# KiCad board e003_rocker.kicad_pcb (continued)
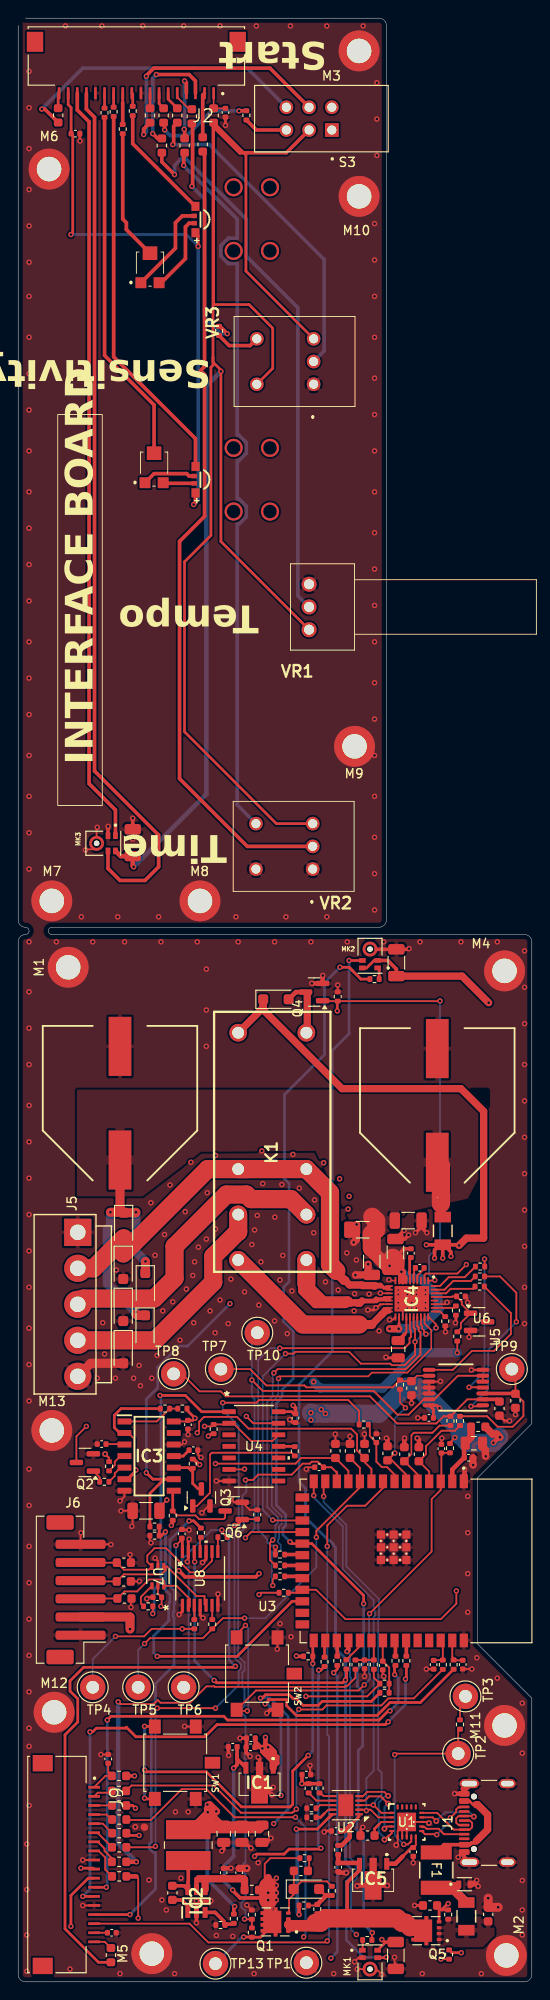
[diagram p0: board, top side]
## Routing (per net, layer and track width the routed paths; a pad name or vN(x,y) marks a point on that pad's centre or on a via; arc(x,y) is an arc through that point) (continued)
VBUS: length 41.3
  Top w0.4: 36.2,7 36.2,10.93 37.55,12.28 IC5.3
  Top w0.5: IC5.3 37.45,13.08 C56.1 R51.1 ; 32.7,6.5 32.7,6.2 32.29,5.79 29.89,5.79 Q1.1 29.71,6.84
  Top w1: 29.76,6.26 29.76,6.3 32.06,6.3 32.26,6.5 42.6,6.5 43.47,5.62 Q5.5_6_7_8
  Top w2: 43.1,6 42.6,6.5 42.2,6.5 41.7,7 33.75,7 33.24,6.5 32.7,6.5
(no net):
  vias: v1(23.7,197.4) v1(23.7,190.4) v1(23.7,168.73) v1(23.7,161.73) v1(27.7,197.4) v1(27.7,190.4) v1(27.7,168.73) v1(27.7,161.73)
/DRV-HIZ_N: length 50.9
  Top w0.175: v2(43.65,70.4) 43.65,68.97 ; 44.8,71.29 44.64,71.45 44.64,71.64 44.44,71.84 44.44,72.14 44.29,72.3 44.29,72.42 44.3,72.44 IC4.26 ; 44.8,71.29 44.84,71.24 v2(44.85,71.24) ; 44.8,71.29 44.84,71.25 44.84,71.24 ; IC4.28 45.15,73.14 45.97,72.32 v2(45.97,71.93)
  Top w0.2: IC4.24 43.5,71.94 43.65,71.79 v2(43.65,70.4) 43.65,68.97 42.51,67.83 41.09,67.83 40.92,68 37.7,68 36.4,69.3 30.5,69.3 30.3,69.1 v2(29.4,69.1) ; v2(28,50.8) 28.05,50.75 U3.17
  Bottom w0.175: v2(43.65,70.4) 44.49,71.24 v2(44.85,71.24) 45.16,71.24 45.75,71.83 45.86,71.83 v2(45.97,71.93)
  Bottom w0.2: v2(28,50.8) 26.9,51.9 26.9,66.6 v2(29.4,69.1)
/DRV_FAULT: length 64.8
  Top w0.2: IC4.2 44.7,77.77 44.84,77.91 48.31,77.91 v2(49.3,78.9) ; R41.1 30.94,42.8 ; 31.26,43.12 32.77,43.12 36,39.9 46.5,39.9 48.2,41.6 v2(48.2,43)
  In2.Cu w0.2: v2(49.3,78.9) 50.65,77.55 50.65,56.6 48.2,54.15 v2(48.2,43)
/ESP_EN: length 57.1
  Top w0.2: U3.3 46.48,54.1 45.48,53.1 45.48,47.33 v2(38.65,40.5) ; 24.03,38.24 v2(25,39.21) ; SW2.1 26.16,32.05 37.45,32.05 v2(38.07,32.67) ; R21.1 46.57,58.19 ; v2(25.2,29.8) 24.15,29.8 ; 46.55,55.12 C25.1
  Bottom w0.2: v2(38.65,40.5) 38.6,40.45 38.6,33.95 38.7,33.85 38.7,33.35 38.6,33.25 38.6,33.2 v2(38.07,32.67) ; v2(25.2,29.8) 25.3,29.9 25.3,38.9 v2(25,39.21)
/ESP_IO0: length 47.1
  Top w0.3: v2(13.9,23.3) 14.1,23.1 20.7,23.1 24.55,19.25 29.93,19.25 30.2,19.52 30.2,23.2 v2(31.9,24.9) ; 32.41,37.45 R20.1 32.41,35.01 v2(32.4,35) ; SW1.1 13.98,20.12 v2(13.9,20.2) ; v2(13.9,28.1) 15.01,28.1
  Bottom w0.3: v2(32.4,35) 32.4,25.4 v2(31.9,24.9) ; v2(13.9,20.2) v2(13.9,23.3) v2(13.9,28.1)
/FAULT_RESET_IN: length 64.4
  Top w0.2: 13,11.6 13.2,11.4 v2(13.2,7)
  Top w0.5: L23.1 13,11.6 ; v2(36.17,36.33) 36.32,36.49 U3.30
  In2.Cu w0.2: v2(37.2,5.2) 37.1,5.3 35.2,5.3 34,6.5 30,6.5 29.2,7.3 25.35,7.3 25.15,7.5 24.65,7.5 24.45,7.3 13.5,7.3 v2(13.2,7)
  Bottom w0.2: v2(37.2,5.2) 36.6,5.8 36.6,10.73 37.23,11.36 37.23,12.91 36.5,13.64 36.5,32.85 36.6,32.95 36.6,33.45 36.5,33.55 36.5,36 v2(36.17,36.33)
/HALL-A: length 65.4
  Top w0.2: v2(18.05,38.83) R46.1 14.68,38.83 13.85,38 v2(10.7,38) ; 19.9,61.6 19.9,60.6 v2(19.7,60.4) ; 19.9,61.6 20,61.7 ; 19.9,61.6 20,61.7 ; U3.9 38.86,56.42 38.1,57.18 C24.1 37.28,58.45 37.28,60.2 36.63,60.85 25.35,60.85 24.06,62.14 20.44,62.14 20,61.7
  In2.Cu w0.2: v2(18.05,38.83) 18.3,39.08 18.3,45.67 18.01,45.96 18.01,46.46 18.3,46.75 18.3,48.34 18.21,48.44 18.21,48.93 18.3,49.02 18.3,49.35 18.2,49.45 18.2,49.95 18.3,50.05 18.3,50.35 18.2,50.45 18.2,50.95 18.3,51.05 18.3,58.5 19.04,59.24 19.04,59.29 19.7,59.95 v2(19.7,60.4)
  Bottom w0.2: v2(10.7,38) 8.2,35.5 TP4.1
/HALL-B: length 41.9
  Top w0.2: C28.1 37.59,56.54 U3.10 37.59,54.39 32.8,49.6 v2(32.8,48.9) ; v2(13.9,37.2) 14.5,37.8 20.32,37.8 R47.2 22.52,40 v2(24.9,40)
  Bottom w0.2: v2(13.9,37.2) 13.2,36.5 TP5.1 ; v2(32.8,48.9) 32.8,45.6 27.2,40 v2(24.9,40)
/HALL-C: length 45.7
  Top w0.2: v2(21.7,57) 30.51,57 31.14,57.62 C29.1 36.32,56.21 U3.11 ; v2(22.4,49.7) 22.4,49.49 R48.1
  In2.Cu w0.2: v2(21.7,57) 21.1,56.4 21.1,54.5 22.4,53.2 v2(22.4,49.7)
  Bottom w0.2: v2(22.4,49.7) 21.25,49.7 18.75,47.2 18.75,46.81 18.36,46.81 18.01,46.46 18.01,45.96 18.36,45.61 18.75,45.61 18.75,32.95
/interface_board/FAULT_RESET_IN: length 28.2
  Top w0.4: L17.1 13.8,203.81 v2(13.8,203.2) ; S3.5 27.7,210.5 14.91,210.5 14.1,209.69 v2(14.1,209.6)
  Bottom w0.4: v2(13.8,203.2) 14.1,203.5 v2(14.1,209.6)
/interface_board/FAULT_RESET_OUT: length 33
  Top w0.4: L19.1 2.92,206 v2(2.6,206)
  Bottom w0.4: S3.6 25.2,210.5 7.1,210.5 v2(2.6,206)
/interface_board/MIC_CLK_BUFFERED: length 97.1
  Top w0.4: J2.15 7.5,206 8.4,205.1 8.4,133.19 15.45,126.14 15.45,122.65 13.95,121.15 11.2,121.15 9.88,122.47 MK3.4
/interface_board/MIC_DATA2: length 83.4
  Top w0.4: J2.16 6.5,205.9 7.8,204.6 7.8,131.8 10.7,128.9 MK3.1
/interface_board/ON_BTN: length 81.7
  Top w0.4: v2(18.2,199.8) 18.2,201.09
  Bottom w0.4: v2(18.2,199.8) 24.1,193.9 24.1,191.8 23.12,191.8 22.3,190.98 22.3,189.82 23.12,189 24.1,189 24.1,170.13 24.28,170.13 25.1,169.31 25.1,168.15 24.28,167.33 24.1,167.33 24.1,163.13 24.28,163.13 25.1,162.31 25.1,161.15 24.28,160.33 24.1,160.33 24.1,129.45 VR2.5
/interface_board/ON_LED_GB: length 3.4
  Top w0.3: 11.5,206.7 J2.11
  Top w0.4: R70.2 11.5,206.7
/interface_board/ON_LED_R: length 1.5
  Top w0.3: R68.1 12.6,207.65 J2.10
/interface_board/POT_SENSOR: length 36.2
  Top w0.4: v2(17,202.1) 17.1,202.2 17.1,204.11 L15.1
  Bottom w0.4: VR3.2 33.65,179.38 33.65,189.47 21.02,202.1 v2(17,202.1)
/interface_board/POT_SPEED: length 60.4
  Top w0.4: L11.1 15.8,200.2 v2(17.2,198.8)
  Bottom w0.4: v2(17.2,198.8) 17.2,199.79 17.91,200.5 18.49,200.5 25.1,193.89 25.1,189.82 30.77,184.15 30.77,152.46 VR1.2
/interface_board/POT_TIME: length 88
  Top w0.4: VR2.2 25.2,124.9 17.75,132.35 17.75,158.45 20.5,161.2 20.5,176.8 20.06,177.24 20.5,177.68 20.5,201.12
/interface_board/SENS_LED_GB: length 1.7
  Top w0.3: 9.5,206.01 J2.13
/interface_board/SENS_LED_R: length 1.5
  Top w0.3: R66.1 J2.12
/interface_board/SENSOR_BTN: length 26.2
  Top w0.4: v2(19.1,197.5) 19.19,197.59 19.19,204.33 ; 22.19,182.11 v2(23,181.3)
  Bottom w0.4: v2(19.1,197.5) 20.5,196.1 20.5,183.1 22.3,181.3 v2(23,181.3)
/interface_board/START_BTN: length 11.1
  Top w0.4: R71.2 24.32,205.82 v2(24.3,205.8) ; v2(16.11,203.71) 16.11,204.41
  Bottom w0.4: v2(16.11,203.71) 16.74,203.07 18.55,203.07 21.28,205.8 v2(24.3,205.8)
/ISENS_A: length 16.6
  Top w0.2: 54.7,67 54.7,64.69 55.58,63.81 55.58,62.23 54.4,61.06 52.74,61.06 51.59,62.21 R17.2
  Top w0.4: U6.3 54.66,64.72
/ISENS_B: length 38
  Top w0.2: 18.02,66.88 19.95,64.95 22.29,64.95 22.84,64.4 38.7,64.4 41.68,61.42 46,61.42 46.79,62.21 R15.2 49.41,64.07 U6.2
  Top w0.4: U6.2 52.7,64.07
/ISENS_C: length 24.2
  Top w0.175: U6.9 43.85,66.67 C49.1 42.12,66.08
  Top w0.2: TP7.1 25.5,67.4 27.3,65.6 31.5,65.6 31.7,65.4 41.2,65.4 R14.2
/MIC_CLK: length 152.9
  Top w0.3: v2(21.56,33.16) 21.82,32.9 35.7,32.9 36,33.2 v2(36,33.2) 36.1,33.3 R22.2 36.1,33.1 ; U8.12 19.37,46.24 v2(19.41,46.2) ; v2(40.5,2.7) 40.45,2.65 MK1.4 ; v2(36.4,112.35) MK2.4
  Bottom w0.3: v2(21.56,33.16) 19.41,35.3 v2(19.41,46.2) ; v2(36.4,112.35) 36.4,104.3 34.55,102.45 34.55,69.35 30.9,65.7 30.9,63.21 30.85,63.16 30.85,62.17 30.7,62.02 30.7,61.48 30.9,61.28 30.9,55 31.6,54.3 31.6,51.1 34.15,48.55 34.27,48.55 34.65,48.17 34.65,48.05 34.9,47.8 34.9,36.68 36,35.58 v2(36,33.2) 36,13.06 36.78,12.28 36.78,11.72 36.1,11.04 36.1,4.6 38,2.7 v2(40.5,2.7)
/MIC_CLK_BUFFERED: length 52.8
  Top w0.3: R55.1 19.31,50.7 v2(18.8,50.7) ; J9.15 v2(12.3,7.4)
  Bottom w0.3: v2(18.8,50.7) 16.7,48.6 16.7,43.5 17.2,43 17.2,41.7 17.25,41.65 17.15,41.55 17.15,40.77 17.05,40.67 17.05,40.13 17.15,40.03 17.15,34.85 15.1,32.8 15.1,30.75 15.03,30.75 14.65,30.37 14.65,15.37 14.45,15.17 14.45,14.63 14.83,14.25 15.1,14.25 15.1,10.2 v2(12.3,7.4)
/MIC_DATA1: length 122.4
  Top w0.2: R7.1 38.91,5.36 v2(38.95,5.4)
  Top w0.3: 36.8,111.2 36.4,111.6 v2(35.4,111.6) ; 36.8,111.2 36.5,111.5 ; 36.8,111.2 37.7,110.3 R10.1 ; v2(38,41.6) 38,42.5 32.29,48.21 U3.19 30.09,48.21 v2(29.9,48.4)
  Bottom w0.3: v2(38,41.6) 38,35.08 37.3,34.38 37.3,32.52 37.9,31.92 37.9,25.95 37.45,25.5 ; v2(29.9,48.4) 29.13,49.17 29.13,49.91 29.43,50.21 29.43,51.39 28.4,52.42 28.4,63.63 28.83,64.06 28.83,64.22 29.04,64.43 29.04,65.14 30.25,66.35 30.25,71.57 29.2,72.62 29.2,76.4 29.8,77 29.8,87.82 29.3,88.32 29.3,97.6 33.7,102 33.7,109.9 v2(35.4,111.6) ; v2(38.95,5.4) 38,6.35 38,15.98 37.25,16.73 37.25,18.35 37.4,18.5 37.4,25.45
/MIC_DATA2: length 81.1
  Top w0.2: U3.8 40.13,54.33 38.17,52.37 36.17,52.37 34,50.2 v2(34,47.9) ; J9.16 18.85,6.4 20.91,4.34 33.84,4.34 v2(34,4.5)
  Bottom w0.2: v2(34,4.5) 34.2,4.7 34.2,16.18 34.26,16.24 34.26,16.74 34.2,16.8 34.2,26.99 34,27.2 v2(34,47.9)
/Motor Control/DRV-INHA: length 42.8
  Top w0.2: IC4.23 43.1,71.73 43.2,71.64 43.2,70.96 43.05,70.8 43.05,70.26 42.49,69.7 v2(28.77,69.7)
  Top w0.4: R19.2 28.29,47.79 v2(28.3,47.8)
  Bottom w0.2: v2(28.3,47.8) 28.1,48 27.75,48 27.4,48.35 27.4,48.7 26.4,49.7 26.4,68.4 27.7,69.7 v2(28.77,69.7)
/Motor Control/DRV-INHB: length 43.9
  Top w0.2: v2(28.12,66.98) 28.55,67.4 42.64,67.4 44.25,69.01 44.25,71.48 44.25,71.48 44.2,71.48 44.05,71.64 44.05,71.98 43.9,72.14 IC4.25 ; R18.2 27.7,46.39 27.7,48.3 v2(28,48.6)
  Bottom w0.2: v2(28.12,66.98) 28,66.85 28,64.4 27.4,63.8 27.4,52.25 28.6,51.05 28.6,50.55 28.3,50.25 28.3,48.9 v2(28,48.6)
/Motor Control/DRV-INHC: length 48
  Top w0.175: v2(28.63,66.36) 28.63,66.49 28.75,66.6 38.5,66.6 38.91,67.01 42.8,67.01 45.44,69.65 45.44,71.68 44.7,72.42 IC4.27 ; v2(28,43.6) 28,44.31 R16.2
  Bottom w0.175: v2(28.63,66.36) 28.6,66.33 28.6,64.61 28.39,64.4 28.39,64.24 27.9,63.75 27.9,52.3 28.99,51.21 28.99,50.39 28.69,50.09 28.69,48.74 28.59,48.64 28.59,48.36 28.58,48.35 28.89,48.04 28.89,47.56 28.54,47.21 28.06,47.21 27.9,47.37 27.9,43.7 v2(28,43.6)
/Motor Control/DRV_AVDD: length 3
  Top w0.2: 42.52,71.26 42.7,71.44 IC4.22
  Top w0.4: C45.1 42.52,71.26
/Motor Control/HALL_A: length 14.9
  Top w0.2: 18.89,41.28 18.89,42.09 17.42,43.56 U7.6 16.02,44.08 15.85,44.25 14.38,44.25 13.07,42.94 11.69,42.94 C54.1 6.9,42.17
/Motor Control/HALL_B: length 16.9
  Top w0.2: 20.63,41.42 20.5,41.55 20.5,42.43 19.62,42.43 16.36,45.69 16.21,45.69 16.21,45.29 15.74,44.82 11.62,44.82 C53.1 6.95,44.05
/Motor Control/HALL_C: length 19.8
  Top w0.2: 6.89,46.11 C52.1 11.63,45.33 14.35,45.33 U7.3 ; 14.71,45.69 14.2,46.2 14.2,46.9 15,47.7 16.27,47.7 18.93,45.05 20.06,45.05 21.32,46.31 U8.9
/Motor Control/HALL_EDGE: length 33.7
  Top w0.2: R45.2 14.81,40.51 v2(14.8,40.5)
  Top w0.3: U4.1 20.19,62.71 18.4,64.5 v2(15.6,64.5)
  Bottom w0.3: v2(15.6,64.5) 15.7,64.4 15.7,49.92 15.55,49.77 15.55,49.23 15.7,49.08 15.7,49.02 15.7,49.02 15.7,43.85 15.6,43.85 14.95,43.2 14.95,40.65 v2(14.8,40.5)
/Motor Control/MIC_CLOCK_BUFFERED: length 1.5
  Top w0.2: 20,48.89 20,47.34
/Motor Control/MTR_U: length 26.2
  Top w2: J5.4 15.06,70.57 21.45,76.95 21.45,79.8 24.15,82.5 24.2,82.5 K1.4
/Motor Control/MTR_V: length 33.1
  Top w2: J5.3 7.19,75.16 14.96,75.16 17.2,77.4 17.2,80.9 22.9,86.6 25.11,86.6 25.61,86.1 30,86.1 K1.3
/Motor Control/MTR_W: length 52.1
  Top w0.175: 40.8,76.34 IC4.11
  Top w0.2: 40.8,76.34 IC4.12
  Top w0.4: 40.8,76.34 40.23,76.34 39.87,76.7 39.4,76.7 39.2,76.5 39.24,76.46 39.9,76.46
  Top w0.8: 39.2,76.5 39.2,76.58 37.89,76.58 37.82,76.65 36.45,76.65 35.95,77.15 ; 35,78 35,78.2
  Top w1: 35,78.1 35,78.2 ; 35.95,77.15 35.85,77.15 35,78
  Top w2: J5.2 8.28,78.48 D7.2 ; K1.6 25.2,89.4 ; 25.2,89.4 K1.5 34.3,86.8 34.3,78.9 35,78.2 ; 25.2,89.4 20.84,89.4 D8.1
/Motor Control/nSLEEP: length 116.4
  Top w0.2: IC4.1 45.78,77.14 v2(45.82,77.18) ; 33.54,107.88 R42.2 46.38,107.88 v2(46.4,107.9)
  Top w0.3: v2(14.1,56) 14.81,55.29 IC3.9 16.05,55.29 14.49,53.73 R43.2 ; v2(35.1,106.8) 35.1,107.83
  In2.Cu w0.3: v2(35.1,106.8) 35.1,94.8 30.27,89.97 30.27,84.75 26.05,80.53 26.05,78.93 23.3,76.18 v2(23.3,74.6)
  Bottom w0.2: v2(45.82,77.18) 45.2,77.81 45.2,79.85 46.4,81.05 v2(46.4,107.9)
  Bottom w0.3: v2(14.1,56) 14.1,64.1 15.35,65.35 15.35,66.67 15.35,66.67 15.35,67.6 17.68,69.93 18.63,69.93 v2(23.3,74.6)
/Motor Control/VM: length 76.5
  Top w0.175: IC4.20 41.9,72.5
  Top w0.2: 41.9,78.36 IC4.9 IC4.7 42.7,77.56 C37.1
  Top w0.3: 41.9,72.5 41.9,71.89 v2(41.85,71.84) ; 40.85,79.05 42.43,80.63
  Top w0.4: C43.1 42.43,80.63 42.2,80.4
  Top w0.5: 46.7,84.5 L14.1 ; C37.1 v2(42.16,78.11)
  Top w0.8: v2(40.85,71.84) v2(41.85,71.84) ; C36.1 38.9,79.95 40.45,78.4 40.45,78.15 41.19,78.15 41.2,78.14 42.2,78.14 42.2,77.23 IC4.8 42.24,77.19 42.24,78.02 v2(42.16,78.11)
  Top w1: v2(12.95,84.65) 12.9,84.6 D7.1 11.2,85 ; C36.1 v2(40.85,78.76) C37.1 ; 11.2,85 10.85,84.65 v2(10.15,84.65) ; 11.2,85 C32.1 ; L14.1 46.5,84.32 46.5,85.6 46.58,85.52 ; v2(14,79.25) 14,77.98 ; 12.95,73.46 13.1,73.31 D3.1
  Top w2: 38.95,84.15 39.38,83.73 39.38,82.73 38.9,82.26 C36.1 ; C37.1 41.5,79.35 41.2,79.65 ; C34.1 46.5,89.75 46.5,85.6
  Bottom w0.5: v2(42.16,78.11) 41.5,78.11 v2(40.85,78.76)
  Bottom w0.8: v2(41.85,71.84) v2(40.85,71.84)
  Bottom w1: v2(14,79.25) 12.95,80.3 v2(12.95,84.65) ; v2(42.16,78.11) 42.86,77.4 44.19,77.4 46.17,75.42 46.17,74.13 46.3,74 44.75,72.45 44.75,72.24 43.61,72.24 43.2,71.84 v2(41.85,71.84) ; v2(12.95,73.66) 9.8,76.81 9.8,82.75 10.15,83.1 v2(10.15,84.65)
/ON_BTN: length 52.1
  Top w0.2: v2(30.5,18.1) 23.8,18.1 20.7,21.2 18,21.2 14.6,17.8 11.89,17.8 ; v2(46.5,2.5) 47.39,2.5
  In2.Cu w0.2: v2(31.4,4.94) 31.56,5.1 34.83,5.1 36.63,3.3 45.7,3.3 v2(46.5,2.5)
  Bottom w0.2: v2(30.5,18.1) 31.6,17 31.6,5.14 v2(31.4,4.94)
/ON_LED_GB: length 69.6
  Top w0.3: R59.1 35.1,34.4 v2(34.7,34) ; J9.11 7.7,11.4 5.8,9.5 v2(5.8,6.1)
  In2.Cu w0.3: v2(5.8,6.1) 16.4,6.1 18.32,4.18 32.82,4.18 v2(34.4,2.6)
  Bottom w0.3: v2(34.4,2.6) 35.1,3.3 35.1,33.6 v2(34.7,34)
/ON_LED_R: length 49.4
  Top w0.3: R56.1 33.29,34.28 v2(33.05,34.28) ; v2(26,13.8) 26.25,14.05 29.25,14.05 29.8,14.6 33.2,14.6 v2(33.3,14.7) ; J9.10 8.25,12.5 v2(6.9,12.5)
  In2.Cu w0.3: v2(26,13.8) 22.72,13.8 21.42,12.5 v2(6.9,12.5)
  Bottom w0.3: v2(33.05,34.28) 33.05,33.35 33,33.3 33,15 v2(33.3,14.7)
/PORT_FLT: length 21.6
  Top w0.2: U1.9 43.24,15.44 43.15,15.35 43.1,15.35 42.87,15.12 v2(42.41,15.12) ; R1.1 48.4,27.59 TP2.1 41.52,25.1 v2(41.41,25)
  Bottom w0.2: v2(42.41,15.12) 41.41,16.12 v2(41.41,25)
/POT_SENS_FILT: length 7.6
  Top w0.2: 38.68,61.14 38.68,60.04 C46.1 39.4,57.22 40.01,56.61 40.59,56.61 41.4,55.8 U3.7
/POT_SENSOR: length 78.1
  Top w0.2: v2(15.3,30.1) v2(21.7,30.1) ; R60.2 37.5,62.8 36.3,64 26.5,64 26.2,63.7 v2(22.5,63.7) ; v2(15.1,14.9) 15,14.8 L21.1
  Bottom w0.2: v2(21.7,30.1) 24.25,32.65 24.25,34.2 24.5,34.45 24.5,34.95 23.8,35.65 23.8,49.35 24.4,49.95 24.4,50.45 24.25,50.6 24.25,61.15 22.5,62.9 v2(22.5,63.7) ; v2(15.1,14.9) 15.1,29.9 v2(15.3,30.1)
/POT_SPEED: length 54.1
  Top w0.3: v2(12.9,19.1) 12.6,19.4 L8.1 ; v2(27.16,30.58) 27.53,30.95 27.53,31.05 29.53,31.05 29.53,30.37 30.6,29.3 39.47,29.3 40.91,30.73 44.25,30.73 R30.2
  In2.Cu w0.3: v2(12.9,19.1) 14.4,17.6 26,17.6 v2(28.9,20.5)
  Bottom w0.3: v2(27.16,30.58) 27.39,30.58 28.9,29.07 v2(28.9,20.5)
/POT_SPEED_FILT: length 3.2
  Top w0.2: U3.39 47.75,35.75 47.9,35.6 R30.1 ; C5.1 47.93,35.37
/POT_TIME: length 49.1
  Top w0.2: v2(30.86,29.96) 33.46,29.96 33.9,30.4 39.94,30.4 40.72,31.18 43.52,31.18 R32.2 ; 11.88,21 12.47,21.6 21.5,21.6 24.5,18.6 30.15,18.6 30.25,18.7 30.3,18.7 v2(30.6,19)
  Bottom w0.2: v2(30.86,29.96) 30.86,29.86 30.6,29.6 v2(30.6,19)
/POT_TIME_FILT: length 2.9
  Top w0.2: 46.71,37.32 R32.1 45.73,35.39
/RESET_FAULT: length 72.4
  Top w0.2: R13.2 24.68,50.89
  Top w0.3: v2(23.8,50.2) 23.99,50.2 Q6.1 ; v2(23.9,34.7) 23.8,34.6 7.2,34.6 5.7,33.1 5.7,31.99 6.55,31.13 6.55,28.57 5.15,27.17 5.15,5.83 8.83,2.15 L25.1
  Bottom w0.3: v2(23.8,50.2) 23.2,49.6 23.2,35.4 v2(23.9,34.7)
/SAMPLE_HOLD: length 58.7
  Top w0.2: U3.18 25.62,49.48 v2(25,48.85) ; 45.77,64.07 48.37,66.67 U6.6 U6.5 ; 44.62,64.07 42.95,62.4 41.7,62.4 39.1,65 30.5,65 30.5,65 26.9,65 v2(25.7,66.2) ; U6.13 44.57,64.07
  Bottom w0.2: 25.7,71.6 v2(25.7,66.2) 25.7,64.4 26,64.1 26,49.85 v2(25,48.85)
/SCL: length 3
  Top w0.2: U2.7 32.79,19.93 R9.1
/SDA: length 1.5
  Top w0.2: U2.6 33.6,20.43 33.26,20.78
/SENS_LED_GB: length 60.8
  Top w0.3: v2(40.7,28.6) 40.39,28.29 21.87,28.29 20.53,26.95 12.95,26.95 11.9,28 11.8,27.9 8.6,27.9 8.2,27.5 v2(7.9,27.5) ; v2(42.6,33.3) 42.7,33.4 R61.1 ; v2(7.1,9.4) J9.13
  Bottom w0.3: v2(7.9,27.5) 7.9,10.2 v2(7.1,9.4) ; v2(40.7,28.6) 42.6,30.5 v2(42.6,33.3)
/SENS_LED_R: length 57.1
  Top w0.3: v2(40.9,29.8) 40.7,29.8 39.69,28.79 23.03,28.79 22.62,29.21 10.21,29.21 v2(9.8,28.8) ; v2(41.41,33.8) 41.4,33.81 41.4,34.7 ; J9.12 v2(9.7,10.4)
  Bottom w0.3: v2(9.7,10.4) 9.8,10.5 v2(9.8,28.8) ; v2(40.9,29.8) 41.8,30.7 41.8,33.41 v2(41.41,33.8)
/SENSOR_BTN: length 47.6
  Top w0.3: v2(26.65,31.2) 26.83,31.2 27.21,31.59 29.8,31.59 30.24,31.14 30.6,31.14 31.33,30.41 33,30.41 33.44,30.85 38.84,30.85 R54.1 ; 11.89,16.4 12.19,16.1 v2(13.3,16.1)
  In2.Cu w0.3: v2(28.1,17.4) 27.7,17 14.2,17 v2(13.3,16.1)
  Bottom w0.3: v2(28.1,17.4) 29.7,19 29.7,29.19 27.69,31.2 27.46,31.2 27.43,31.23 26.89,31.23 26.86,31.2 v2(26.65,31.2)
/SPEED_FAULT: length 35.2
  Top w0.3: R43.1 R44.2 15.78,49.08 v2(16.2,49.5) ; U3.24 30.13,41.86 24.08,35.8 v2(15.3,35.8)
  Bottom w0.3: v2(15.3,35.8) 14.9,36.2 14.9,38.05 16.6,39.75 16.6,39.87 16.55,39.92 16.55,40.88 16.6,40.93 16.6,41.71 16.7,41.81 16.7,42.6 16.2,43.1 16.2,48.81 v2(16.2,49.5)
/START_BTN: length 48.2
  Top w0.2: R53.1 37.1,33.45 36.15,32.5 35.94,32.5 35.89,32.45 21.63,32.45 21.58,32.5 20.71,32.5 18.9,30.7 15.65,30.7 15.35,31 14.9,30.55 11.25,30.55 v2(11,30.8)
  Top w0.5: L22.1 v2(13,13.2)
  Bottom w0.5: v2(13,13.2) 11,15.2 v2(11,30.8)
USB_DM: length 42.5
  Top w0.2: v2(33.6,53.4) 33.6,54.87 ; U2.3 39.1,19.43 39.94,18.59 U1.1
  Bottom w0.2: v2(39.06,19.45) 39.26,19.65 39.26,19.88 39.98,20.6 39.98,23 39.6,23.38 39.6,40.03 39.7,40.13 39.7,42.1 36.1,45.7 36.1,50.27 33.6,52.77 v2(33.6,53.4)
USB_DP: length 43.4
  Top w0.2: U1.2 39.61,18.09 38.77,18.93 U2.2 ; U3.14 v2(32.51,53.5)
  Bottom w0.2: v2(32.51,53.5) 32.51,53.29 35.7,50.1 35.7,45.4 39.1,42 39.1,40.9 39.25,40.75 39.25,40.25 39.1,40.1 39.1,34.02 39.1,34.02 39.1,33.18 39.1,33.18 39.1,23.2 38.3,22.4 38.3,18.84 v2(38.3,18.83)
VM_SENSE: length 65.9
  Top w0.2: v2(24.9,6.9) 24.92,6.88 R12.2 ; 35.05,56.13 U3.12 35.05,56 34.45,56.6 C18.1 33.18,57 33.16,57 32.95,57.21 32.29,57.21 32.08,57 31.3,57 30.09,55.79 26.41,55.79 25.82,55.2 v2(25,55.2) ; R11.1 25.7,6.88
  Bottom w0.2: v2(25,55.2) 25.1,55.1 25.1,53.9 24.65,53.45 24.65,50.77 24.8,50.62 24.8,49.78 24.2,49.18 24.2,35.82 24.9,35.12 24.9,34.28 24.65,34.03 24.65,32.48 24.9,32.23 24.9,30.35 24.6,30.05 24.6,29.55 24.95,29.2 25,29.2 25,25.15 24.9,25.05 24.9,24.55 25,24.45 25,13.1 24.9,13.1 24.55,12.75 24.55,12.25 24.9,11.9 25,11.9 25,9.05 24.9,9.05 24.55,8.7 24.55,8.2 24.9,7.85 25,7.85 25,7 v2(24.9,6.9)
Net-(C58-Pad2): length 1.3
  Top w0.2: R49.2 32.01,12.34
Net-(D2-A): length 6.6
  Top w0.5: 31.8,108.69 Q4.3 30.55,108.88 D2.2
  Top w0.8: 31.8,108.69 31.8,104.5
Net-(D9-A): length 4.8
  Top w0.2: 32.99,8.4 R5.2 ; R58.2 33.81,9.49
  Top w0.3: 33.81,9.49 D9.2
  Top w0.5: R58.2 33.88,9.49 R6.1
Net-(D9-K): length 9.6
  Top w0.2: R58.1 33.96,11.05 31.15,11.05 D9.1 30.3,9.6 29.79,9.09 29.79,7.64 Q1.4 ; C58.1 30.32,10.22
Net-(IC2-BOOT): length 2.7
  Top w0.4: IC2.1 18.66,8.32 17.97,9.01 C8.1
Net-(IC2-EN): length 8.8
  Top w0.4: 24.85,11.3 24.81,11.34
  Top w0.5: 19.81,11.49 19.61,11.29 IC2.5
  Top w0.8: 20.6,11.34 24.81,11.34 24.9,11.25 L2.2 ; 20.6,11.34 19.96,11.34 ; 20.6,11.34 20.56,11.3 IC2.4
Net-(IC2-FB): length 3.9
  Top w0.4: R2.1 23.63,6.34 22.63,6.34 22.63,6.66 21.65,7.64 IC2.3
Net-(IC2-SW): length 5.1
  Top w0.4: L4.1 18.71,11 18.66,10.95 IC2.6 18.23,10.56 C8.2
Net-(IC3B-1CONT): length 2
  Top w0.2: C35.1 11.64,59.15
Net-(IC3B-1DISCH): length 6.5
  Top w0.2: R23.1 R24.2 15.24,61.64 IC3.1
Net-(IC3B-1OUT): length 2.1
  Top w0.2: R26.2 10.62,55.64 10.62,55.93 11.25,56.56
Net-(IC3B-1RESET): length 2.1
  Top w0.2: 11.25,57.83 10.62,57.2 10.62,56.82 R25.1
Net-(IC3B-1THRES): length 20.5
  Top w0.2: 12.13,60.37 12.75,59.74 12.75,55.92 12.13,55.29 ; v2(12.95,56.3) 11.94,55.29 ; 15.54,52.19 v2(16.35,53)
  Top w0.3: 11.17,60.37 10.57,60.96 10.57,62.32 11.31,63.06 R24.1
  In2.Cu w0.2: v2(12.95,56.3) 16.25,53 v2(16.35,53)
Net-(IC3C-2CONT): length 2
  Top w0.3: IC3.11 18.15,57.83 C48.1
Net-(IC3C-2RESET): length 4.7
  Top w0.3: 19.8,54.22 19.2,54.82 19.2,56.08 18.8,56.48 ; IC3.10 18.72,56.56 19,56.28
Net-(IC3C-2TRIG): length 9.1
  Top w0.2: Q6.3 22.76,51.06 22.6,50.9 19.9,50.9 19.5,51.3 17.49,51.3 R39.1
  Top w0.3: R39.1 17,53.91
Net-(IC4-CP): length 2.6
  Top w0.2: 43.05,77.89 43.1,77.84 IC4.6
  Top w0.3: 43.05,77.89 43.05,78.12 43.06,78.14 43.06,79.53 C43.2
Net-(IC4-CPH): length 1.9
  Top w0.2: 43.55,78.4 43.55,77.89 43.5,77.84 IC4.5 43.5,77.73
Net-(IC4-CPL): length 1.6
  Top w0.2: IC4.4 43.9,77.67 44.66,78.42
Net-(IC4-CSAREF): length 7.6
  Top w0.2: R34.1 48.7,71.9 48.7,72.49 U5.1 48.8,74.51 48.8,74.82 C42.1 47.78,75.4 47.71,75.34 IC4.33
Net-(IC4-GAIN): length 1.4
  Top w0.2: R4.2 46.41,73.73 IC4.29
Net-(IC4-OUTB_1): length 27
  Top w0.2: 39.39,75.15 39.39,75.16 40.62,75.16 IC4.14 IC4.15 40.42,74.94 40.25,75.11
  Top w0.3: 39.43,75.11 40.11,75.11 40.29,75.28 40.8,75.28 ; 39.43,75.11 39.39,75.15 39.55,74.99 39.7,74.99 ; 39.43,75.11 40.75,75.11 40.8,75.16 ; 39.7,74.99 39.63,74.99 39.45,74.8 37.73,74.8 37.58,74.65 ; 39.7,74.99 40.42,74.99
  Top w0.5: 37.83,74.9 39.15,74.9 39.15,74.91 39.39,75.15 ; 40.8,75.16 40.77,75.14
  Top w0.8: 33.5,75 36.2,75 36.54,74.66 36.58,74.7 37.32,74.7 37.37,74.65 37.58,74.65 37.83,74.9
  Top w1: 31.3,77.1 31.3,76 32.7,74.6 36,74.6 36.3,74.9 ; 33.5,75 31.7,76.8
  Top w2: 31.7,76.8 K1.1
Net-(IC4-OUTC_1): length 24
  Top w0.2: IC4.17 IC4.18
  Top w0.3: 40.5,73.9 40.2,73.9 40.2,74 40.28,74.08 40.8,74.08
  Top w0.4: 40.2,73.9 39.8,73.5 39.8,73.2 40.1,73.2 40.8,73.9
  Top w0.5: 39.8,73.2 40.33,73.73 IC4.18 ; 40.8,73.9 40.5,73.9
  Top w0.8: 39.8,73.2 38.9,72.3
  Top w1: 37.5,72.3 38.9,72.3 ; 31,72.6 31.3,72.3
  Top w2: 31,72.6 K1.2 ; 31.3,72.3 37.5,72.3
Net-(IC4-SLEW): length 2.4
  Top w0.2: IC4.30 47.94,74.14 48.15,74.34
Net-(IC4-SOA): length 5.4
  Top w0.2: IC4.36 46.39,76.54 47.36,77.51 49.12,77.51 R37.2
Net-(IC4-SOB): length 5.1
  Top w0.2: R38.2 49.77,77.09 47.85,77.09 46.9,76.14 IC4.35
Net-(IC4-SOC): length 4.8
  Top w0.2: R40.2 50,76.23 47.56,76.23 47.07,75.73 IC4.34
Net-(J1-CC1): length 5
  Top w0.2: U1.12 44.47,17.01 44.74,17.01 44.92,16.84 46.24,16.84 46.29,16.79 46.29,16.79 46.64,16.44 46.64,16.44 46.84,16.24 J1.A5
Net-(J1-CC2): length 6.1
  Top w0.2: v2(47.54,18.04) 48.18,18.68 48.18,18.97 48.4,19.19 48.69,19.19 ; v2(46.04,16.19) 45.99,16.24 44.74,16.24 U1.11
  Bottom w0.2: v2(47.54,18.04) 47.54,17.69 v2(46.04,16.19)
Net-(J2-Pin_1): length 3
  Top w0.175: C61.1 21.51,206.08 ; L1.1 J2.1
Net-(J2-Pin_2): length 4.9
  Top w0.4: L10.2 20.3,207.55 J2.2
Net-(J2-Pin_3): length 13.8
  Top w0.4: J2.3 19.5,209.1 18.8,209.8 v2(15.2,209.8) ; L11.2 15.32,202.78 v2(14.8,203.3)
  Bottom w0.4: v2(14.8,203.3) 14.8,209.4 v2(15.2,209.8)
Net-(J2-Pin_4): length 7.8
  Top w0.4: v2(18.3,209.1) 18.5,208.9 J2.4 ; v2(18.26,203.77) 18.31,203.72 L12.2
  Bottom w0.4: v2(18.26,203.77) 18.3,203.82 v2(18.3,209.1)
Net-(J2-Pin_5): length 1.9
  Top w0.2: 18.82,205.99 17.5,207.3
Net-(J2-Pin_6): length 2.1
  Top w0.3: L15.2 16.5,207.09 J2.6
Net-(J2-Pin_7): length 1.9
  Top w0.3: J2.7 15.5,206.6 16,206.1
Net-(J2-Pin_8): length 1.7
  Top w0.3: L17.2 J2.8
Net-(J2-Pin_18): length 1.7
  Top w0.3: J2.18 4.4,207.65 L19.2
Net-(J9-Pin_1): length 3.9
  Top w0.2: C19.1 9.9,23.05 L6.1 ; 10.2,22.65 9.6,22.65 J9.1
Net-(J9-Pin_2): length 1.9
  Top w0.2: J9.2 8.75,20.8 10.1,20.8
Net-(J9-Pin_3): length 2
  Top w0.2: L8.2 J9.3
Net-(J9-Pin_4): length 2.2
  Top w0.2: 10.31,17.8 9.71,18.4 J9.4
Net-(J9-Pin_5): length 2.4
  Top w0.2: J9.5 9.31,17.4 10.31,16.4
Net-(J9-Pin_6): length 2.3
  Top w0.2: L21.2 8.72,16.4
Net-(J9-Pin_7): length 2.8
  Top w0.2: 8.75,15.4 9.5,14.65 9.5,14.4 10.31,13.59 L22.2
Net-(J9-Pin_8): length 3.4
  Top w0.2: 8.85,14.4 9.57,13.68 9.57,12.35 L23.2
Net-(J9-Pin_18): length 2.1
  Top w0.2: L25.2 9.52,4.4 J9.18
Net-(LED1-B): length 3.3
  Top w0.4: LED1.1 16.02,164.83
Net-(LED1-G): length 5.9
  Top w0.4: RV2.1 14.95,165.9 18.54,165.9 18.81,165.63 LED1.2
Net-(LED1-R): length 42.2
  Top w0.4: LED1.4 19.5,169.75 10.5,178.75 R66.2
Net-(LED2-B): length 8.4
  Top w0.4: LED2.1 18.81,193.45 18.4,193.04 18.4,189.56 15.74,186.9
Net-(LED2-G): length 10.5
  Top w0.4: RV1.1 17.3,190.7 17.3,193.5 18.05,194.25 LED2.2
Net-(LED2-R): length 12.8
  Top w0.4: R68.2 12.6,202.2 LED2.4
Net-(MK1-DATA): length 1.1
  Top w0.2: R7.2 37.89,3.5
Net-(MK2-DATA): length 1.3
  Top w0.3: R10.2 39.71,111.35 MK2.1
Net-(Q2-DRAIN): length 26.1
  Top w0.2: 23.07,61.31 R29.1 21.29,61.1 v2(20.5,61.1) ; v2(7.5,61.1) 6.4,60 Q2.3 ; 23.66,61.44 25.6,59.5 27.98,59.5 U4.12
  In2.Cu w0.2: v2(7.5,61.1) v2(20.5,61.1)
Net-(Q2-GATE): length 1.5
  Top w0.2: 8.96,55.01 8.96,55.49 Q2.1
Net-(Q3-GATE): length 16.3
  Top w0.2: Q3.1 19.65,52.34 21.1,53.79 21.1,58 21.3,58.2 30.07,58.2 R35.2
Net-(Q5-G): length 11.3
  Top w0.3: v2(48.74,3.2) 47.71,3.2 R73.2 ; 46.56,7.91 C62.1 ; 46.56,7.91 R72.1 ; 46.56,7.91 47.25,8.6 v2(47.3,8.6) ; 46.3,6.75 46.3,8.18
  In2.Cu w0.3: v2(47.3,8.6) 47.3,4.64 v2(48.74,3.2)
Net-(R1-Pad2): length 2
  Top w0.2: R1.2 48.6,30.8
Net-(R28-Pad1): length 39.2
  Top w0.4: R28.1 9.5,178.9 14.95,173.45 RV2.2
Net-(R45-Pad1): length 2.9
  Top w0.2: R45.1 13.5,41.59 13.5,42.34 U7.4
Net-(R70-Pad1): length 14.4
  Top w0.4: R70.1 11.5,193.9 11.9,193.5 11.9,192.75 RV1.2
Net-(R71-Pad1): length 4.9
  Top w0.4: R71.1 26.2,203.7 S3.3
Net-(U1-C_CC1): length 7.6
  Top w0.2: v4(40.7,19.6) 40.47,19.83 40.45,19.83 40.08,20.2 40.08,20.22 39.9,20.4 38.6,20.4 38.13,19.93 U2.4 ; v4(40.29,16.84) 40.54,17.09 U1.4
  Bottom w0.2: v4(40.7,19.6) 40.29,19.19 40.29,16.84 v4(40.29,16.84)
Net-(U1-C_CC2): length 10.6
  Top w0.2: U1.5 41.09,16.34 40.84,16.09 40.74,16.09 v4(40.29,15.64) ; U2.5 37.52,20.4 37.9,20.4 38.4,20.9 40.26,20.9 v4(40.71,20.46)
  Bottom w0.2: v4(40.29,15.64) 40.29,15.84 39.66,16.46 39.66,16.58 39.66,19.71 40.41,20.46 v4(40.71,20.46)
Net-(U1-SBU1): length 7.9
  Top w0.2: J1.A7 49.67,17.74 49.94,17.47 49.94,17.01 49.67,16.74 J1.B7 47.94,16.74 46.09,18.59 U1.15
Net-(U1-SBU2): length 10
  Top w0.2: v4(50.12,18.17) 50.05,18.24 J1.B6 48.45,18.24 48.18,17.97 48.18,17.51 48.45,17.24 J1.A6 ; U1.14 45.59,18.09 v4(45.99,17.69)
  Bottom w0.2: v4(45.99,17.69) 46.94,18.64 49.65,18.64 v4(50.12,18.17)
Net-(U1-VBIAS): length 3
  Top w0.2: U1.3 39.95,17.59 39.7,17.34
  Top w0.3: C41.2 39.2,16.84 39.7,17.34
Net-(U2-GATE): length 15.2
  Top w0.3: U2.10 34.2,18.04 34.14,18.04 32.9,16.8 v2(30.6,16.8)
  Top w0.4: v2(30.9,7.4) R5.1
  Bottom w0.3: 30.7,7.6 v2(30.9,7.4)
  Bottom w0.4: v2(30.6,16.8) 30.7,16.7 30.7,7.6
Net-(U2-ISET): length 2.2
  Top w0.2: U2.9 34.1,18.93 33.66,18.49
  Top w0.3: R57.2 33.26,18.09 33.66,18.49
Net-(U2-VBUS): length 6.3
  Top w0.3: 36.46,17.15 37.49,18.18 U2.1
  Top w0.5: 36.76,17.44 35.9,16.59 C12.1 ; 36.46,17.15 36.46,15.89 35.59,15.02 R51.2
Net-(U2-VSET): length 1.9
  Top w0.2: 32.86,19.09 33.2,19.43 U2.8
Net-(U3-3V3): length 6.6
  Top w0.5: 49.05,59.06 49.05,57.65 47.75,56.35 U3.2
  Top w0.8: L13.1 49.81,59.88 C26.1
Net-(U3-IO4): length 9.3
  Top w0.2: R17.1 48.03,60.62 46.57,60.62 44.86,58.91 44.86,58.04 C23.1 45.21,56.13 U3.4
Net-(U3-IO5): length 10.7
  Top w0.175: 43.31,60.19 43.25,60.12 43.25,58.03 C22.1
  Top w0.2: U3.5 43.94,55.8 C22.1 ; 43.31,60.19 43.52,60.4 45.57,60.4 46.36,61.19 R15.1
Net-(U3-IO6): length 12.3
  Top w0.175: v2(42.6,63.15) 42,63.75 R14.1
  Top w0.2: v2(41.43,58.17) C21.1 41.1,57.36 42.67,55.8 U3.6
  Bottom w0.175: v2(41.43,58.17) 41.43,61.98 v2(42.6,63.15)
Net-(U3-IO12): length 1.9
  Top w0.4: R19.1 31.19,47
Net-(U3-IO13): length 1.8
  Top w0.4: R18.1 31.12,45.8
Net-(U3-IO14): length 1.7
  Top w0.4: R16.1 31.05,44.6
Net-(U3-IO35): length 1.8
  Top w0.3: R56.2 33.7,37.47
Net-(U3-IO36): length 1.7
  Top w0.4: R59.2 35.1,37.5
Net-(U3-IO38): length 2.1
  Top w0.2: R22.1 37.59,36.91
Net-(U3-IO39): length 3.9
  Top w0.2: R53.2 R33.1 39.12,37.29
Net-(U3-IO40): length 6
  Top w0.2: 40.1,37.52 C59.1 40.81,34.57 R54.2
Net-(U3-IO41): length 1.6
  Top w0.4: R62.2 41.5,37.45
Net-(U3-IO42): length 1.7
  Top w0.4: R61.2 42.7,37.52
Net-(U4-1Q3): length 11.5
  Top w0.2: v2(24.9,56.4) 24.86,56.36 U4.6 ; v2(25.1,62.2) 25.86,61.44 U4.13
  In2.Cu w0.2: v2(25.1,62.2) 24.9,62 v2(24.9,56.4)
Net-(U4-2Q0): length 1.7
  Top w0.3: U4.11 30.39,58.9
Net-(U6-SIG_A_IN_OUT): length 20
  Top w0.2: v2(49.8,63.3) 50.98,63.3 ; v2(54.8,72.6) 54.8,75.8 53.01,77.59 51.3,77.59
  Bottom w0.2: v2(54.8,72.6) 51.7,69.5 51.7,65.2 v2(49.8,63.3)
Net-(U6-SIG_B_IN_OUT): length 17.1
  Top w0.2: v2(51.3,79.5) 51.31,79.48 R37.1 ; v2(49.6,65.4) 51.07,65.4
  Bottom w0.2: v2(51.3,79.5) 51.3,67.1 v2(49.6,65.4)
Net-(U6-SIG_C_IN_OUT): length 17.1
  Top w0.2: U6.8 47.82,67.32 49.9,69.4 52.35,69.4 54.2,71.25 54.2,73.56 R40.1
Net-(U8-1Y): length 1.6
  Top w0.2: R46.2 19.38,41.41
Net-(U8-2Y): length 1.5
  Top w0.2: R47.1 21.35,41.39
Net-(U8-3Y): length 1.6
  Top w0.2: U8.8 R48.2
Net-(VR3-NO): length 4.9
  Top w0.4: R27.1 23.21,179.98 25.5,179.98 VR3.5

## Copper pours and planes (outline as drawn; the poured copper is in the pictures)
+12V on In2.Cu: 26.7,5.4 34.7,5.4 48.7,23.4 48.7,87.4 35.7,87.4 34.7,59.4 34.7,22.4 26.7,12.4
/VBUS_CUT on Top: 46.1,6.1 46.8,6.1 46.8,7.2 52.4,7.2 52.4,5.1 51.1,3.8 46.1,3.8
GND on Top, Bottom, In1.Cu, In2.Cu: 0.6,-1.2 57.3,-1.7 56.7,224 -8,220.8 -3.7,-1.7
/Motor Control/VM on Top: 51.7,98.15 51.7,90.4 49.45,86.15 42.7,84.65 41.2,82.15 40.95,80.9 42.7,80.9 42.95,77.15 41.45,77.15 40.45,77.9 37.95,79.65 37.7,81.15 32.7,91.4 20.1,91.3 13.7,86.4 6.45,86.4 6.45,98.15

## Text on the board
F.Silkscreen: INTERFACE BOARD | Sensitivity | Time | Tempo | Start
